# Altium PCB MultiChannelLdc.PcbDoc (continued)
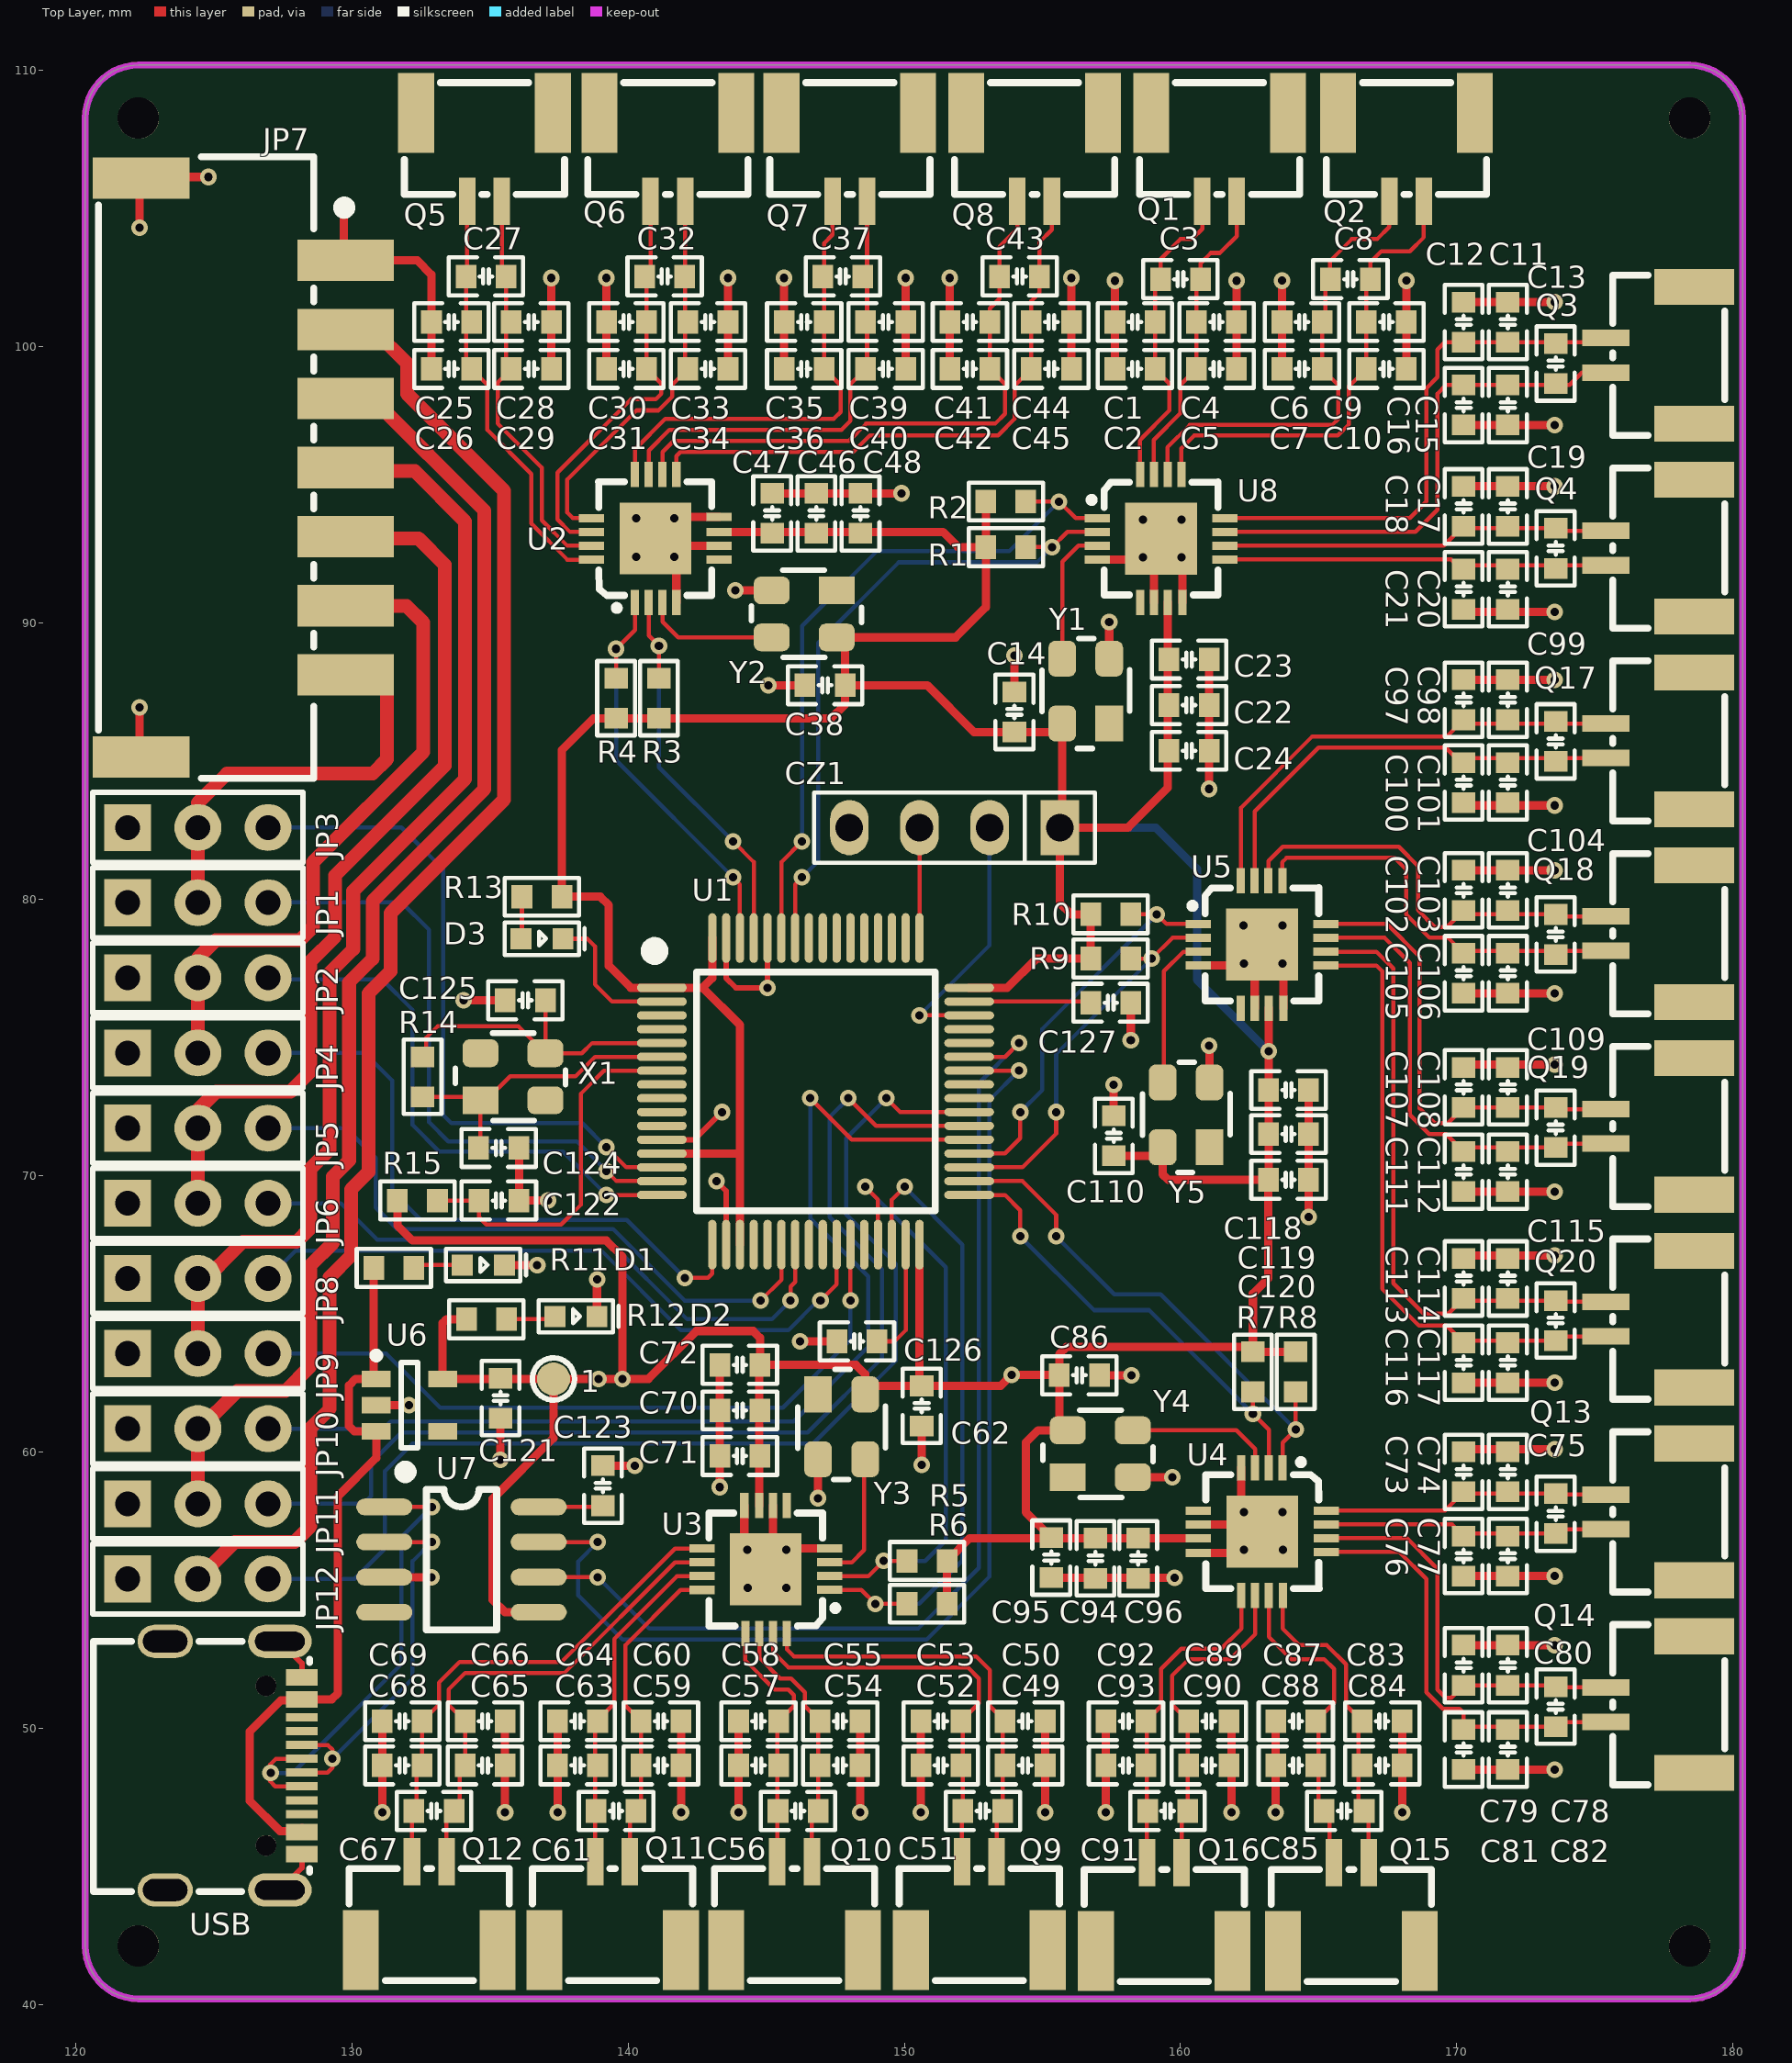
[diagram p0: Top Layer view]
## Footprints (in the part's own frame and the unit in brackets; to place one, negate y for a bottom-side part, rotate by r counter-clockwise, add the part's x,y. Pads: shape width x height; smd on the part's side, far side on the other; paste and mask are expansions set on the pad)
C0603_L [mm] "贴片MLCC电容"
  rect 0.75x0.85 smd: 1(-0.725,0) 2(0.725,0)
  silkscreen extent -1.35,-0.69 1.35,0.69, body extent -0.8,-0.4 0.8,0.4, height 0.8
CONN-SMD_7P-P2.54_MEGASTAR_ZX-XH2.54-7PWT [mm]
  rect 1.5x3.5 smd paste+0 mask+0.05: 1(-7.5,3.7) 2(-5,3.7) 3(-2.5,3.7) 4(0,3.7) 5(2.5,3.7) 6(5,3.7) 7(7.5,3.7) 8(10.48,-3.7) 9(-10.48,-3.7)
  silkscreen extent -11.25,-5.25 11.25,3.85
HDR2.54-LI-3P [mm] "排针，3脚                        联系卖家 免费查找封装"
  rect 1.7x1.7 hole 0.9: 1(-2.54,0)
  round 1.7 hole 0.9: 2(0,0) 3(2.54,0)
  silkscreen extent -3.81,-1.27 3.81,1.27, body extent -3.81,-1.27 3.81,1.27, height 2.54
LED0603_R [mil] "红色0603LED"
  rect 30x30 smd: 1(-30,0) 2(30,0)
  silkscreen extent -53,-23 61,23, body extent -31,-16 32,16, height 18
LQFP64-10*10 [mm] "10x10mm，0.5mm      联系卖家 免费查找封装"
  oval 0.3x1.8 smd: 1(-3.75,-5.575) 2(-3.25,-5.575) 3(-2.75,-5.575) 4(-2.25,-5.575) 5(-1.75,-5.575) 6(-1.25,-5.575) 7(-0.75,-5.575) 8(-0.25,-5.575) 9(0.25,-5.575) 10(0.75,-5.575) 11(1.25,-5.575) 12(1.75,-5.575) 13(2.25,-5.575) 14(2.75,-5.575) 15(3.25,-5.575) 16(3.75,-5.575) 33(3.75,5.55) 34(3.25,5.55) 35(2.75,5.55) 36(2.25,5.55) 37(1.75,5.55) 38(1.25,5.55) 39(0.75,5.55) 40(0.25,5.55) 41(-0.25,5.55) 42(-0.75,5.55) 43(-1.25,5.55) 44(-1.75,5.55) 45(-2.25,5.55) 46(-2.75,5.55) 47(-3.25,5.55) 48(-3.75,5.55)
  oval 1.8x0.3 smd: 17(5.55,-3.75) 18(5.55,-3.25) 19(5.55,-2.75) 20(5.55,-2.25) 21(5.55,-1.75) 22(5.55,-1.25) 23(5.55,-0.75) 24(5.55,-0.25) 25(5.55,0.25) 26(5.55,0.75) 27(5.55,1.25) 28(5.55,1.75) 29(5.55,2.25) 30(5.55,2.75) 31(5.55,3.25) 32(5.55,3.75) 49(-5.55,3.75) 50(-5.55,3.25) 51(-5.55,2.75) 52(-5.55,2.25) 53(-5.55,1.75) 54(-5.55,1.25) 55(-5.55,0.75) 56(-5.55,0.25) 57(-5.55,-0.25) 58(-5.55,-0.75) 59(-5.55,-1.25) 60(-5.55,-1.75) 61(-5.55,-2.25) 62(-5.55,-2.75) 63(-5.55,-3.25) 64(-5.55,-3.75)
  silkscreen extent -5.33,-6.09 4.32,4.32, body extent -6,-6 6,6, height 1.45
R0603_L [mm] "1/10W贴片电阻"
  rect 0.75x0.85 smd: 1(-0.725,0) 2(0.725,0)
  silkscreen extent -1.35,-0.69 1.35,0.69, body extent -0.8,-0.4 0.8,0.4, height 0.4
SIP4 [mm]
  rect 1.4x2 hole 1: 1(0,0)
  oval 1.4x2 hole 1: 2(2.54,0) 3(5.08,0) 4(7.62,0)
  silkscreen extent -1.27,-1.27 8.89,1.27, body extent -1.27,-1.27 8.89,1.27, height 8.89
SMD3225 [mm]
  rect 1.3x1 smd: 1(-1.175,-0.85)
  rrect50% 1.3x1 smd: 2(1.175,-0.85) 3(1.175,0.85) 4(-1.175,0.85)
  silkscreen extent -2.08,-1.59 1.91,1.58, body extent -1.58,-1.23 1.62,1.27, height 0.61
SOP8_N [mil] "5*6*1.8mm（长宽高）"
  oval 80x24 smd: 1(-110,75) 2(-110,25) 3(-110,-25) 4(-110,-75) 5(110,-75) 6(110,-25) 7(110,25) 8(110,75)
  silkscreen extent -86,-100 50,131, body extent -118,-98 118,98, height 75
SOT23-5 [mm] "SOT23, 5-Leads, Body 2.9x1.6mm, Pitch 0.95mm, IPC Medium Density                联系卖家 免费查找封装"
  rect 1.05x0.6 smd: 1(-1.2,0.95) 2(-1.2,0) 3(-1.2,-0.95) 4(1.2,-0.95) 5(1.2,0.95)
  silkscreen extent -1.32,-1.55 0.3,1.92, body extent -1.4,-1.5 1.4,1.5, height 1.15
"TEST 1.2" [mm] "测试点1.2mm"
  round 1.2 smd paste-1.2: 1(0,0)
  silkscreen extent -0.76,-0.76 0.76,0.76
USB-C-SMD_16P [mm] "封装库来自淘宝ID:黄晶宝石"
  oval 1.2x2.3 hole 0.7 slot 1.8 at 90 deg: 0(-4.5,-1.675) 0(4.5,-1.675)
  oval 1.2x2 hole 0.8 slot 1.6 at 90 deg: 0(-4.5,2.475) 0(4.5,2.475)
  rect 0.3x1.15 smd: A1(3.35,-2.473) A4(2.55,-2.471) A5(1.25,-2.475) A6(0.25,-2.475) A7(-0.25,-2.473) A9(-2.55,-2.475) A12(-3.35,-2.475) B1(-3.05,-2.475) B4(-2.25,-2.475) B5(-1.75,-2.475) B6(-0.75,-2.475) B7(0.75,-2.473) B9(2.25,-2.471) B12(3.05,-2.473)
  rect 0.3x1.148 smd: A8(1.75,-2.475) B8(-1.25,-2.475)
  round 0.75 hole 0.75 unplated: ""(-2.89,-1.175) ""(2.89,-1.175)
  silkscreen extent -4.56,-2.75 4.5,5.08, body extent -4.45,-2.87 4.49,5.03, height 3.25
W-QFN-16 [mil]
  rect 11.8x36 smd: 1(-35,-82) 2(-15.4,-82) 3(4.3,-82) 4(24,-82) 9(24,100) 10(4.3,100) 11(-15.4,100) 12(-35.1,100)
  rect 36x11.8 smd: 5(85,-21) 6(85,-1.3) 7(85,18.4) 8(85,39.6) 13(-97,38) 14(-97,18.3) 15(-97,-1.4) 16(-97,-21.1)
  rect 102.36x102.36 smd: 17(-5.8,9.1)
  silkscreen extent -87,-93 74,90
座子 [mm]
  rect 0.6x1.7 smd paste+0.051: 1(-1.564,2.237) 2(-0.314,2.237)
  rect 1.3x2.9 smd paste+0.051: 3(1.536,-0.963) 4(-3.414,-0.963)
  silkscreen extent -3.84,-2.06 1.96,1.99

## Part data
1: "探针焊盘"
C1 C2 C3 C4 C5 C6 C7 C8 C9 C10 C11 C12 C13 C15 C16 C17 C18 C19 C20 C21 C22 C23 C24 C25 C26 C27 C28 C29 C30 C31 C32 C33 C34 C35 C36 C37 C39 C40 C41 C42 C43 C44 C45 C46 C47 C48 C49 C50 C51 C52 C53 C54 C55 C56 C57 C58 C59 C60 C61 C63 C64 C65 C66 C67 C68 C69 C70 C71 C72 C73 C74 C75 C76 C77 C78 C79 C80 C81 C82 C83 C84 C85 C87 C88 C89 C90 C91 C92 C93 C94 C95 C96 C97 C98 C99 C100 C101 C102 C103 C104 C105 C106 C107 C108 C109 C111 C112 C113 C114 C115 C116 C117 C118 C119 C120: library part Cap, "Capacitor", LatestRevisionDate=17-Jul-2002, LatestRevisionNote="Re-released for DXP Platform.", Published=8-Jun-2000, Publisher="Altium Limited"
C14 C38 C62 C86 C110 C121 C122 C123 C124 C125 C126 C127: library part C, "贴片电容/MLCC电容"
CZ1: library part CON4, "Connector"
D1 D2 D3: library part LED0, "发光二极管", LatestRevisionDate=08-Jul-2005, LatestRevisionNote="Mech Layer 1 removed.", PackageReference=LED-0, Published=8-Jun-2000, Publisher="Altium Limited"
JP1 JP2 JP3 JP4 JP5 JP6 JP8 JP9 JP10 JP11 JP12: library part "Header 3", "3P接插件"
JP7: library part "Header 7", "7P接插件"
Q1 Q2 Q3 Q4 Q5 Q6 Q7 Q8 Q9 Q10 Q11 Q12 Q13 Q14 Q15 Q16 Q17 Q18 Q19 Q20: library part CON2, "Connector"
R1 R2 R3 R4 R5 R6 R7 R8 R9 R10: "Resistor", LatestRevisionDate=17-Jul-2002, LatestRevisionNote="Re-released for DXP Platform.", PackageDescription="Axial Device, Thru-Hole; 2 Leads; 0.4 in Pin Spacing", PackageReference=AXIAL-0.4, Published=8-Jun-2000, Publisher="Altium Limited"
R11 R12 R13 R14 R15: library part R, "贴片电阻"
U1: "ARM Cortex-M4 32b MCU+FPU, 210DMIP, 1024 kB Flash, 192+4 kB RAM, 51 I/Os, 64-pin LQFP, -40 to +85癈, Tray", Operating Frequency (Processor Speed)=168MHz, 16-bit Timers (IC/OC/PWM)=12x16-bit(24/24/30), 32-bit Timer (IC/OC/PWM)="2x32-bit (8/8/8)", A/D Converter=16x12-bit, ComponentLink1Description="Manufacturer URL", ComponentLink1URL=http://www.st.com/, ComponentLink2Description="STM32F405/7 Datasheet", ComponentLink2URL=http://www.st.com/internet/com/TECHNICAL_RESOURCES/TECHNICAL_LITERATURE/DATASHEET/DM00037051.pdf, ComponentLink3Description="STM32F4 Web Page", ComponentLink3URL=http://www.st.com/internet/mcu/subclass/1521.jsp, D/A Converter=2x12-bit, DatasheetVersion="rev2, Jan-2012", Internal RAM=192kB, Other Timer Functions="2xWDG, RTC, 24-bit down counter", PackageDescription="64-Pin Low Profile Quad Flat Package, 10x10 mm Body, 0.5 mm Pitch", PackageReference=TQFP64, PackageVersion=2012, Serial Interface="3xSPI/2xI2S/2xI2C/3xUSART(IrDa, ISO7816)/3xUART/1xUSB OTG FS/HS, 2xCAN/ SDIO"
U2 U3 U4 U5 U8: BOM_LCSC Assembly=Yes, BOM_Manufacturer=TI, BOM_Manufacturer Part=LDC1314RGHT, BOM_Supplier=LCSC, BOM_Supplier Part=C80399, image=//image.lceda.cn/szlcsc/C80399.jpg, SMT Type=Extend, spicePre=U, spiceSymbolName=LDC1314RGHT
U7: JLCPCB Part Class="Extended Part", LCSC Part Name=USB2.0芯?, Manufacturer=WCH(南?, Operating Temperature=-20℃~+70?, Voltage - Supply=3.3V；5V, Add into BOM=yes, Applications Function=USB转?, Convert to PCB=yes, Data Rate=2Mbps, Datasheet=https://atta.szlcsc.com/upload/public/pdf/source/20240313/115CDE92081B1D6CB446704AD5D0F5F2.pdf, Device=CH340N, Manufacturer Part=CH340N, Number of Channels=1, Protocol="USB 2.0", Supplier=LCSC, Supplier Footprint=SOP-8, Supplier Part=C2977777, Symbol=CH340N_C2977777
USB: library part USB2.0_Type-C_16Pin, "USB2.0_Type-C_16Pin母座"
X1: library part XTAL-4P, "4脚无源晶振(谐振器）"
Y1 Y2 Y3 Y4 Y5: library part 有源晶振
U6: Symbol=TLV75733PDBVR

## Free pads (board coordinates)
  round 1.5 hole 1.5 unplated: 2(122.27,42.12) 2(122.27,108.28) 2(178.43,42.12) 2(178.43,108.28)

## Via types
v1: diameter 0.6, hole 0.3, Top Layer to Bottom Layer, tented both sides, 135 vias

## Nets (pads, with @x,y where several pads share a name; then routed paths per layer and width w, separated by ;. In a path a pad name is that pad's centre, name@x,y a point inside that pad or via, vN(x,y) a via of type N, cw(c..) or ccw(c..) an arc to the next point about the centre after c; other vN are vias at no path point)
3V3: 1.1 C14.1 C22.1 C23.1 C24.1 C38.1 C46.1 C47.1 C48.1 C62.1 C70.1 C71.1 C72.1 C86.1 C94.1 C95.1 C96.1 C110.1 C118.1 C119.1 C120.1 C121.2 CZ1.1 R1.2 R2.1 R3.2 R4.1 R5.2 R6.1 R7.2 R8.1 R9.2 R10.1 R12.2 R13.2 R15.1 U1.1 U1.13 U1.19 U1.32 U1.48 U1.64 U2.7 U3.7 U4.7 U5.7 U6.5 U7.5 U8.7 Y1.4 Y2.4 Y3.4 Y4.4 Y5.4 | length 218.9
  Top Layer w0.3: R15.1 131.65,68.2 132.2,67.65 139.21,67.65 139.8,67.06 v1(139.8,62.639) ; R12.2 133.426,64.8 133.285,64.659 U6.5 1.1 ; U7.5 135.545,54.196 135.1,54.641 135.1,58.3 137.3,60.5 1.1 ; U1.13 144.05,70.8 ; U1.64 143.05,77.15 142.7,76.8 ; U2.7 148.417,93.301 151.399,93.301 151.951,92.749 R1.2 ; U1.19 144.05,70.8 ; U3.7 144.747,63.123 C72.1 ; U1.32 150.55,62.467 C62.1 ; R6.1 R5.2 152.368,56.873 U4.7 ; U1.48 153.727,76.8 154.785,77.858 R9.2 R10.1 156.042,79.458 155.63,79.87 CZ1.1 ; R2.1 R1.2 ; C95.1 154.4,57.819 154.4,60.339 154.845,60.784 Y4.4 155.614,61.089 C86.1 ; C110.1 159.05,70.718 Y5.4 159.355,70.045 159.55,69.85 C120.1 ; U8.7 159.536,84.036 158.1,82.6 CZ1.1 ; U5.7 v1(163.187,74.5) 163.187,69.853 C120.1 ; R8.1 R7.2 ; 1.1 v1(138.939,62.639) v1(139.8,62.639) ; v1(139.8,62.639) 140.739,62.639 142.474,64.374 144.526,64.374 144.774,64.126 C72.1 ; 142.7,76.8 U1.1 140.1,76.8 139.3,77.6 139.3,79.79 138.995,80.095 R13.2 137.607,85.407 138.756,86.556 R4.1 R3.2 147.356,86.556 147.859,87.059 C38.1 ; 142.7,76.8 144.05,75.45 144.05,70.8 ; C72.1 148.25,63.15 148.581,62.819 Y3.4 148.886,62.387 C62.1 ; C38.1 147.859,89.178 Y2.4 151.853,89.483 152.95,90.58 R1.2 ; C38.1 150.83,87.75 152.521,86.059 C14.1 155.414,86.059 Y1.4 155.719,82.689 CZ1.1 ; C62.1 153.487,62.387 v1(153.887,62.787) 155.6,62.787 C86.1 ; C86.1 155.614,63.542 155.872,63.8 162.444,63.8 R7.2 ; R7.2 162.621,65.721 163.185,66.285 C120.1
  Bottom Layer w0.3: CZ1.1 159.1,82.6 160.6,81.1 160.6,77.087 v1(163.187,74.5)
5V: R11.2 U6.1 U6.3 USB.A4 USB.A9 USB.B4 USB.B9 | length 26.1
  Top Layer w0.3: USB.B9 128.08,51 127.43,51 126.31,49.88 126.31,47.36 127.4,46.27 128.074,46.27 USB.B4 ; USB.B9@128.44,51.04 129.27,51.04 129.5,51.27 129.5,58.4 130.885,59.785 U6.3 130.098,60.739 129.9,60.937 129.9,62.4 130.139,62.639 U6.1@130.795,62.639 ; R11.2 U6.1@130.795,62.639 ; U6.1 U6.1@130.795,62.639
+5V_1: JP1.2 JP3.2 JP7.7 | length 15.2
  Top Layer w0.3: JP3.2 124.427,83.497
  Top Layer w0.5: JP1.2@124.427,80.08 JP3.2 ; 124.427,83.497 125.48,84.55 130.75,84.55 131.27,85.07 131.27,87.63 130.8,88.1 JP7.7@129.717,88.1
+5V_2: JP2.2 JP4.2 JP7.6 | length 23.8
  Top Layer w0.3: JP2.2 JP2.2@124.427,77.877
  Top Layer w0.5: JP4.2 JP2.2 ; JP2.2@124.427,77.877 125.07,78.52 128.119,78.52 128.6,79.001 128.6,81.35 132.58,85.33 132.58,90.02 131.984,90.616 129.791,90.616 JP7.6
+5V_3: JP5.2 JP6.2 JP7.5 | length 32.4
  Top Layer w0.3: JP5.2 JP5.2@124.427,72.374
  Top Layer w0.5: JP6.2 JP5.2 ; JP5.2@124.427,72.374 125.093,73.04 127.78,73.04 128.5,73.76 128.5,77.75 129.4,78.65 129.4,80.872 133.36,84.832 133.36,92.12 132.415,93.065 JP7.5@129.717,93.065
+5V_4: JP7.4 JP8.2 JP9.2 | length 40.8
  Top Layer w0.3: JP9.2@124.427,63.16 JP9.2
  Top Layer w0.5: JP9.2 124.427,65.98 126.047,67.6 128,67.6 128.5,68.1 128.5,70.25 129.2,70.95 129.2,77.35 130.05,78.2 130.05,80.3 134.1,84.35 134.1,93.682 132.282,95.5 JP7.4@129.717,95.5
+5V_5: JP7.3 JP10.2 JP11.2 | length 48.6
  Top Layer w0.3: JP11.2@124.427,57.52 JP11.2 ; JP7.3@129.717,98.1 JP7.3@130.77,98.1
  Top Layer w0.5: JP11.2 124.427,60.777 125.85,62.2 127.6,62.2 128.5,63.1 128.5,66.75 129.31,67.56 129.31,69.96 129.9,70.55 129.9,77 130.75,77.85 130.75,79.94 134.8,83.99 134.8,94.07 JP7.3@130.77,98.1
+5V_6: JP7.2 JP12.2 | length 54.1
  Top Layer w0.3: JP7.2@129.717,100.6 JP7.2@130.8,100.6
  Top Layer w0.5: JP12.2 125.763,56.736 127.936,56.736 128.5,57.3 128.5,60.85 129.2,61.55 129.2,66.328 129.97,67.098 129.97,69.503 130.6,70.133 130.6,76.6 131.4,77.4 131.4,79.5 135.51,83.61 135.51,94.79 132,98.3 132,99.4 JP7.2@130.8,100.6
GND: C1.2 C2.2 C4.1 C5.1 C6.2 C7.2 C9.1 C10.1 C11.2 C12.2 C14.2 C15.1 C16.1 C17.2 C18.2 C20.1 C21.1 C22.2 C23.2 C24.2 C25.2 C26.2 C28.1 C29.1 C30.2 C31.2 C33.1 C34.1 C35.2 C36.2 C38.2 C39.1 C40.1 C41.2 C42.2 C44.1 C45.1 C46.2 C47.2 C48.2 C49.2 C50.2 C52.1 C53.1 C54.2 C55.2 C57.1 C58.1 C59.2 C60.2 C62.2 C63.1 C64.1 C65.2 C66.2 C68.1 C69.1 C70.2 C71.2 C72.2 C73.2 C74.2 C76.1 C77.1 C78.2 C79.2 C81.1 C82.1 C83.2 C84.2 C86.2 C87.1 C88.1 C89.2 C90.2 C92.1 C93.1 C94.2 C95.2 C96.2 C97.2 C98.2 C100.1 C101.1 C102.2 C103.2 C105.1 C106.1 C107.2 C108.2 C110.2 C111.1 C112.1 C113.2 C114.2 C116.1 C117.1 C118.2 C119.2 C120.2 C121.1 C122.2 C123.2 C124.1 C125.1 C126.1 C127.1 CZ1.4 D1.2 D2.2 JP1.1 JP2.1 JP3.1 JP4.1 JP5.1 JP6.1 JP7.1 JP7.8 JP7.9 JP8.1 JP9.1 JP10.1 JP11.1 JP12.1 U1.12 U1.18 U1.60 U1.63 U2.4 U2.6 U2.8 U2.17 U3.4 U3.6 U3.8 U3.17 U4.4 U4.6 U4.8 U4.17 U5.4 U5.6 U5.8 U5.17 U6.2 U7.3 U8.4 U8.6 U8.8 U8.17 USB.0 USB.A1 USB.A12 USB.B1 USB.B12 Y1.2 Y2.2 Y3.2 Y4.2 Y5.2 | length 240.7
  Top Layer w0.2: USB.0@127.394,44.14 128.194,44.94 USB.A12 USB.B1 ; USB.0@127.394,53.14 127.4,53.14 128.192,52.348 USB.A1 USB.B12 ; U1.12 142.4,71.3 v1(143.4,72.3) ; v1(143.2,69.8) 143.55,69.45 U1.18 ; U1.63 143.55,77.15 143.9,76.8 v1(145.05,76.8) U1.60
  Top Layer w0.3: JP7.8@122.317,85.15 v1(122.317,86.953) ; v1(122.317,104.307) JP7.9@122.317,106.11 ; JP7.9@123,106.15 v1(124.803,106.15) ; v1(129.717,104.933) 129.717,103.13 132.37,103.13 132.883,102.617 C25.2 C26.2 ; U6.2 v1(132.074,61.689) ; v1(131.1,46.955) C68.1 C69.1 ; U7.3 v1(132.882,55.466) ; v1(134.048,76.348) C125.1 C125.1@135.509,76.3 ; v1@135.383,59.815 C121.1 ; D1.2 v1(136.713,66.762) ; v1(135.55,46.955) C65.2 C66.2 ; C124.1 136.05,70.994 C122.2 v1(137.1,69.1) ; C29.1 C28.1 v1(137.223,102.495) ; v1(137.45,46.955) C63.1 C64.1 ; D2.2 v1@138.874,66.25 ; C123.2 v1(140.238,59.5) ; C31.2 C30.2 v1(139.217,102.495) ; U2.4 141.749,92.308 U2.17@141.256,92.801 ; v1(141.916,46.955) C59.2 C60.2 ; U2.6 U2.17@141.256,92.801 ; U2.8 141.767,93.84 U2.17 U2.17@141.256,92.801 ; v1(143.324,58.724) C70.2 C72.2 ; C34.1 C33.1 v1(143.617,102.495) ; v1(143.88,91.183) Y2.2 ; v1(144,46.955) C57.1 C58.1 ; U3.8 144.208,56.521 144.5,56.229 144.774,56.503 U3.17@145.247,56.503 ; v1(145.085,87.75) C38.2 ; C47.2 C46.2 C48.2 v1(149.9,94.7) ; U3.6 U3.17@145.247,56.503 ; C36.2 C35.2 v1(145.651,102.495) ; v1(146.228,64) C126.1 ; v1(146.881,58.325) Y3.2 ; U3.4 U3.17@145.247,56.503 ; v1(148.4,46.955) C54.2 C55.2 ; C40.1 C39.1 v1(150.051,102.495) ; v1(150.6,46.955) C53.1 ; v1(150.63,59.53) C62.2 ; C42.2 C41.2 v1(151.651,102.495) ; C14.2 v1(153.986,88.832) ; v1(155.1,46.955) C49.2 C50.2 ; C95.2 v1(159.782,55.448) ; C45.1 v1(156.051,102.495) ; U8.4 U8.17@159.036,92.301 ; C86.2 v1(158.227,62.773) ; v1(157.3,46.955) C93.1 C92.1 ; Y1.2 v1(157.419,90.038) ; C110.2 v1(157.585,73.285) ; C2.2@157.626,99.1 C2.2 C1.2 v1(157.626,102.395) ; v1(158.2,74.9) C127.1 ; Y4.2 v1(159.697,59.084) ; U8.6 U8.17@159.036,92.301 ; U8.8 160.075,92.283 159.879,92.479 159.701,92.301 U8.17@159.036,92.301 ; U5.4 162.194,77.607 U5.17@162.687,78.1 ; U4.8 162.182,56.334 162.2,56.352 U4.17@162.2,57.373 ; U4.6 U4.17@162.2,57.373 ; v1(161.036,83.999) C24.2 C22.2 C23.2 ; Y5.2 v1@161.055,74.7 ; v1(161.85,46.955) C89.2@161.85,50.25 ; C5.1@162.026,99.1 C5.1 C4.1 v1(162.026,102.395) ; U4.4 U4.17@162.2,57.373 ; U5.6 U5.17@162.687,78.1 ; v1(163.45,46.955) C88.1 C87.1 ; C7.2@163.676,99.1 C7.2 C6.2 v1(163.676,102.395) ; U5.8 163.726,77.59 U5.17 U5.17@162.687,78.1 ; v1(164.635,68.503) C120.2 C119.2 C118.2 ; v1(168.025,46.955) C84.2 C83.2 ; C10.1@168.176,99.1 C10.1 v1(168.176,102.395) ; C81.1 C82.1 v1(173.545,48.501) ; C79.2 C78.2 v1(173.545,53.001) ; C76.1 C77.1 v1(173.545,55.501) ; C73.2@170.25,60.101 v1(173.545,60.101) ; C116.1 C117.1 v1(173.545,62.501) ; C113.2@170.25,67.101 v1(173.545,67.101) ; C111.1 C112.1 v1(173.545,69.42) ; C107.2@170.25,74.017 v1(173.545,74.017) ; C105.1 C106.1 v1(173.545,76.601) ; C102.2 C103.2 v1(173.545,81.051) ; C100.1@170.25,83.401 v1(173.545,83.401) ; C97.2 C98.2 v1(173.545,87.951) ; C21.1@170.25,90.401 v1(173.545,90.401) ; C18.2 C17.2 v1(173.545,94.951) ; C16.1 C15.1 v1(173.545,97.17) ; C12.2 C11.2 v1(173.545,101.62)
  other v1: 144.325,55.079 145.725,55.079 162.302,56.45 163.702,56.45 144.323,56.453 145.723,56.453 162.299,57.824 163.699,57.824 135.383,59.715 138.88,66.25 161.036,74.7 162.289,77.682 163.689,77.682 162.286,79.056 163.686,79.056 158.637,92.376 160.037,92.376 140.3,92.4 141.674,92.403 158.635,93.75 160.035,93.75 140.3,93.8 141.674,93.803
NetC1_1: C1.1 C2.1 C3.2 Q1.2 U8.16 | length 11.5
  Top Layer w0.15: U8.16 158.533,96.633 159.6,97.7 159.6,98.676 C2.1 C1.1 159.076,102.251 C3.2 159.275,103.175 160,103.9 160.417,103.9 160.787,104.27 Q1.2@160.787,105.307
NetC3_1: C3.1 C4.2 C5.2 Q1.1 U8.15 | length 11.4
  Top Layer w0.15: U8.15 159.033,96.633 160,97.6 160,98.624 C5.2 C4.2 160.576,102.301 C3.1 160.725,103.025 161.1,103.4 161.425,103.4 162.037,104.012 Q1.1@162.037,105.307
NetC6_1: C6.1 C7.1 C8.2 Q2.2 U8.14 | length 17.4
  Top Layer w0.15: U8.14 159.534,96.37 160.334,97.17 165.489,97.17 165.709,97.389 165.709,98.617 C7.1 C6.1 165.24,101.014 165.24,102.436 C8.2@165.225,102.45 ; C8.2@165.725,102.45 165.42,102.756 165.42,103.12 166.2,103.9 167.117,103.9 167.559,104.342 Q2.2 Q2.2@167.559,105.307
NetC8_1: C8.1 C9.2 C10.2 Q2.1 U8.13 | length 17.2
  Top Layer w0.15: U8.13 160.034,96.334 160.5,96.8 165.7,96.8 166.1,97.2 166.1,98.574 C10.2 166.726,102.4 C8.1@166.675,102.45 ; C8.1 166.875,103.065 167.267,103.457 168.3,103.457 168.809,103.966 Q2.1 Q2.1@168.809,105.307
NetC11_1: C11.1 C12.1 C13.2 Q3.2 U8.12 | length 19.5
  Top Layer w0.15: U8.12 168.302,93.802 168.9,94.4 168.9,98.5 169.3,98.9 169.3,99.9 169.57,100.17 C12.1 C11.1 175.25,100.17 Q3.2
NetC13_1: C13.1 C15.2 C16.2 Q3.1 U8.11 | length 18.6
  Top Layer w0.15: U8.11 168.501,93.301 169.3,94.1 169.3,98.3 169.62,98.62 C16.2 C15.2 174.086,98.62 174.536,99.07 Q3.1
NetC17_1: C17.1 C18.1 C19.2 Q4.2 U8.10 | length 14.1
  Top Layer w0.15: U8.10 169.536,92.801 170.236,93.501 C18.1 170.319,93.431 C19.2 173.671,93.342 Q4.2
NetC19_1: C19.1 C20.2 C21.2 Q4.1 U8.9 | length 14.1
  Top Layer w0.15: U8.9 169.799,92.301 C21.2@170.249,91.851 ; C21.2@170.25,91.851 170.491,92.092 Q4.1
NetC25_1: C25.1 C26.1 C27.2 Q5.2 U2.16 | length 15.5
  Top Layer w0.15: C27.2@133.933,102.55 134.178,102.795 Q5.2@134.178,105.307 ; C27.2 134.133,99.4 C26.1 134.9,98.633 134.9,97 136.5,95.4 136.5,93.6 137.802,92.298 U2.16
NetC27_1: C27.1 C28.2 C29.2 Q5.1 U2.15 | length 14.7
  Top Layer w0.15: C27.1@135.383,102.55 135.428,102.595 Q5.1@135.428,105.307 ; C27.1 135.583,99.39 C29.2 135.278,98.705 135.278,97.222 136.875,95.625 136.875,93.725 137.802,92.798 U2.15
NetC30_1: C30.1 C31.1 C32.2 Q6.2 U2.14 | length 15.3
  Top Layer w0.15: U2.14 137.902,93.299 137.45,93.751 137.45,95.45 140.1,98.1 141,98.1 141.2,98.3 141.2,98.667 C31.1 C30.1 140.667,102.667 140.816,102.816 Q6.2@140.816,105.307
NetC32_1: C32.1 C33.2 C34.2 Q6.1 U2.13 | length 14.6
  Top Layer w0.15: U2.13 138.001,93.799 137.8,94 137.8,95.2 140.3,97.7 141.1,97.7 141.6,98.2 141.6,98.633 C34.2 142.066,99.302 Q6.1@142.066,105.307
NetC35_1: C35.1 C36.1 C37.2 Q7.2 U2.12 | length 17
  Top Layer w0.15: U2.12 140.248,96.3 141.348,97.4 147.453,97.4 147.7,97.647 147.7,98.601 C36.1 C35.1 147.101,103.751 147.403,104.053 Q7.2@147.403,105.307
NetC37_1: C37.1 C39.2 C40.2 Q7.1 U2.11 | length 16.9
  Top Layer w0.15: U2.11 140.748,96.248 141.5,97 147.73,97 148.05,97.32 148.05,98.649 C40.2 ; C40.2@148.653,99.252 Q7.1@148.653,105.307
  Top Layer w0.3: C40.2 C40.2@148.653,99.252
NetC41_1: C41.1 C42.1 C43.2 Q8.2 U2.10 | length 22.2
  Top Layer w0.15: U2.10 141.249,96.199 141.65,96.6 148,96.6 148.62,97.22 153.29,97.22 153.65,97.58 153.65,98.651 C42.1 C41.1 153.101,101.401 153.45,101.75 C43.2 153.45,103.63 154.091,104.271 Q8.2@154.091,105.307
NetC43_1: C43.1 C44.2 C45.2 Q8.1 U2.9 | length 21.9
  Top Layer w0.15: U2.9 141.749,96.049 141.9,96.2 148.153,96.2 148.753,96.8 153.4,96.8 154,97.4 154,98.599 C45.2 154.601,101.665 154.9,101.964 C43.1 154.9,103.8 155.341,104.241 Q8.1@155.341,105.307
NetC49_1: C49.1 C50.1 C51.2 Q9.2 U3.16 | length 15.5
  Top Layer w0.15: U3.16 145.75,52.85 146,52.6 152.6,52.6 153.1,52.1 153.1,50.8 C50.1 153.57,50.17 C51.2 153.341,46.771 Q9.2
NetC51_1: C51.1 C52.2 C53.2 Q9.1 U3.15 | length 15.4
  Top Layer w0.15: U3.15 145.25,52.75 145.8,52.2 152.3,52.2 152.7,51.8 152.7,50.9 152.12,50.32 C51.1 152.091,46.971 Q9.1
NetC54_1: C54.1 C55.1 C56.2 Q10.2 U3.14 | length 9.5
  Top Layer w0.15: U3.14 144.749,52.551 145.5,51.8 145.901,51.8 146.4,51.301 146.4,50.8 C55.1 146.88,50.18 C56.2 146.653,46.773 Q10.2
NetC56_1: C56.1 C57.2 C58.2 Q10.1 U3.13 | length 9.5
  Top Layer w0.15: U3.13 144.249,52.451 145.3,51.4 145.8,51.4 146,51.2 146,50.8 C58.2 145.403,50.203 Q10.1
NetC59_1: C59.1 C60.1 C61.2 Q11.2 U3.12 | length 11.9
  Top Layer w0.15: Q11.2 140.066,46.876 140.19,47 C61.2 140.3,47 140.466,47.166 C59.1 C60.1 139.9,50.816 139.9,53 141.902,55.002 U3.12
NetC61_1: C61.1 C63.2 C64.2 Q11.1 U3.11 | length 12.5
  Top Layer w0.15: Q11.1 138.816,50.166 C64.2 138.9,50.3 139.5,50.9 139.5,53.23 141.772,55.502 U3.11
NetC65_1: C65.1 C66.1 C67.2 Q12.2 U3.10 | length 18.1
  Top Layer w0.15: Q12.2 133.428,47 C67.2 133.8,47 133.9,47.1 133.9,48.45 C65.1 C66.1 133.5,50.85 133.5,51.4 134.1,52 137.7,52 141.703,56.003 U3.10
NetC67_1: C67.1 C68.2 C69.2 Q12.1 U3.9 | length 18.4
  Top Layer w0.15: Q12.1 132.178,46.828 132.35,47 132.35,48.45 C68.2 C69.2 133.15,50.85 133.15,51.65 133.9,52.4 137.6,52.4 141.703,56.503 U3.9
NetC73_1: C73.1 C74.1 C75.2 Q13.2 U4.16 | length 10.4
  Top Layer w0.15: U4.16 169.575,57.876 C73.1 170.312,58.489 C75.2 173.619,58.452 Q13.2
NetC75_1: C75.1 C76.2 C77.2 Q13.1 U4.15 | length 10.3
  Top Layer w0.15: U4.15 169.825,57.376 C76.2 ; C76.2@170.338,57.039 C75.1 173.743,57.201 Q13.1
NetC78_1: C78.1 C79.1 C80.2 Q14.2 U4.14 | length 15.3
  Top Layer w0.15: U4.14 168.195,56.875 169.3,55.77 169.3,51.4 169.6,51.1 169.799,51.1 C79.1 C78.1 173.531,51.551 C80.2 173.608,51.474 Q14.2
NetC80_1: C80.1 C81.2 C82.2 Q14.1 U4.13 | length 15.7
  Top Layer w0.15: U4.13 167.925,56.375 168.9,55.4 168.9,51.3 169.5,50.7 170.1,50.7 170.25,50.55 C81.2 170.35,50.051 C80.1 173.754,50.223 Q14.1
NetC83_1: C83.1 C84.1 C85.2 Q15.2 U4.12 | length 11.6
  Top Layer w0.15: U4.12 163.701,53.599 164.3,53 165.3,53 165.989,52.311 165.989,50.836 C83.1 166.45,50.125 C85.2@166.45,47 ; C85.2 166.809,46.841 Q15.2@166.809,45.112
NetC85_1: C85.1 C87.2 C88.2 Q15.1 U4.11 | length 11.9
  Top Layer w0.15: U4.11 163.201,53.299 164,52.5 165.2,52.5 165.559,52.141 165.559,50.909 C87.2 165,50.15 165,47.2 C85.1 165.4,46.8 165.4,45.271 Q15.1@165.559,45.112
NetC89_1: C89.1 C90.1 C91.2 Q16.2 U4.10 | length 12.2
  Top Layer w0.15: Q16.2@160.037,45.112 160.037,46.777 C91.2 160.26,50.21 C89.1 159.7,50.85 159.7,51.9 160.3,52.5 161.8,52.5 162.7,53.4 U4.10
NetC91_1: C91.1 C92.2 C93.2 Q16.1 U4.9 | length 12
  Top Layer w0.15: Q16.1@158.787,45.112 158.787,48.65 158.787,50.213 C92.2 159.3,50.8 159.3,52.145 160.029,52.874 161.474,52.874 162.2,53.6 U4.9
NetC97_1: C97.1 C98.1 C99.2 Q17.2 U5.16 | length 17.2
  Top Layer w0.15: U5.16 162.184,83.312 164.772,85.9 169.649,85.9 C97.1 170.387,86.364 Q17.2
NetC99_1: C99.1 C100.2 C101.2 Q17.1 U5.15 | length 16.3
  Top Layer w0.15: U5.15 162.684,83.184 165,85.5 169.6,85.5 169.986,85.114 171.85,85.114 Q17.1
NetC102_1: C102.1 C103.1 C104.2 Q18.2 U5.14 | length 15.6
  Top Layer w0.15: U5.14 163.185,81.385 163.7,81.9 167.9,81.9 168.6,81.2 168.6,79.606 169.206,79 169.649,79 C102.1 170.396,79.455 C104.2 173.65,79.386 Q18.2
NetC104_1: C104.1 C105.2 C106.2 Q18.1 U5.13 | length 14.9
  Top Layer w0.15: U5.13 163.685,81.346 163.839,81.5 167.759,81.5 168.176,81.083 168.176,79.455 169.023,78.608 169.693,78.608 C105.2 ; C105.2@170.25,77.951 170.435,78.136 Q18.1
NetC107_1: C107.1 C108.1 C109.2 Q19.2 U5.12 | length 16.6
  Top Layer w0.15: U5.12 167.467,79.109 168.659,77.917 168.659,72.441 169.2,71.9 169.683,71.9 C107.1 C107.1 C109.2 173.64,72.408 Q19.2
NetC109_1: C109.1 C111.2 C112.2 Q19.1 U5.11 | length 16.7
  Top Layer w0.15: U5.11 167.392,78.608 168.3,77.7 168.3,72.2 169,71.5 169.62,71.5 C111.2 170.397,71.016 C109.1 173.722,71.158 Q19.1
NetC113_1: C113.1 C114.1 C115.2 Q20.2 U5.10 | length 22.5
  Top Layer w0.15: U5.10 167.092,78.108 167.7,77.5 167.7,66.1 168.8,65 169.699,65 C113.1 170.323,65.478 C115.2 173.629,65.43 Q20.2
NetC115_1: C115.1 C116.2 C117.2 Q20.1 U5.9 | length 22.6
  Top Layer w0.15: U5.9 167.093,77.607 167.3,77.4 167.3,65.9 168.628,64.572 169.629,64.572 C116.2 170.327,64.028 C115.1 173.733,64.179 Q20.1
NetC122_1: C122.1 R15.2 U1.7 | length 13.5
  Top Layer w0.15: R15.2 C122.1 134.6,68.5 134.87,68.23 137.58,68.23 138.3,68.95 138.3,72.973 139.127,73.8 U1.7
NetC123_1: C123.1 U7.8 | length 2.3
  Top Layer w0.15: U7.8 139.044,58.006 C123.1
NetC124_2: C124.2 R14.2 U1.6 X1.1 | length 11.1
  Top Layer w0.15: R14.2 134.536,72.85 X1.1 ; C124.2 134.657,71.063 X1.1 ; U1.6 138.8,74.3 138.1,73.6 135.728,73.6 134.857,72.729 X1.1
NetC125_2: C125.2 R14.1 U1.5 X1.3 | length 11.9
  Top Layer w0.15: R14.1 132.7,74.438 132.7,75 133.1,75.4 136.036,75.4 X1.3 ; C125.2 X1.3 ; U1.5 138.7,74.8 138.329,74.429 X1.3
NetC126_2: C126.2 U1.31 | length 4.3
  Top Layer w0.15: C126.2 149.65,64 150.05,64.4 U1.31
NetC127_2: C127.2 U1.47 | length 4.4
  Top Layer w0.15: U1.47 156.708,76.3 C127.2
NetCZ1_2: CZ1.2 U1.46 | length 9.7
  Top Layer w0.15: v1(150.55,75.8) U1.46
  Bottom Layer w0.15: v1(150.55,75.8) 153.09,78.34 CZ1.2
NetCZ1_3: CZ1.3 U1.49 | length 4
  Top Layer w0.15: U1.49 CZ1.3
NetD1_1: D1.1 R11.1 | length 1.8
  Top Layer w0.15: R11.1 132.347,66.762 D1.1
NetD2_1: D2.1 R12.1 | length 1.8
  Top Layer w0.15: R12.1 137.249,64.8 D2.1
NetD3_1: D3.1 R13.1 | length 1.5
  Top Layer w0.15: D3.1 136.157,78.611 R13.1
NetD3_2: D3.2 U1.2 | length 5.3
  Top Layer w0.15: D3.2 138.526,78.574 138.8,78.3 138.8,76.916 139.416,76.3 U1.2
NetJP1_3: JP1.3 U1.15 | length 22.8
  Top Layer w0.15: v1(139.217,70.161) 139.579,69.8 U1.15
  Bottom Layer w0.15: JP1.3@126.967,79.23 127.637,79.9 131.8,79.9 132.8,78.9 132.8,71.93 133.49,71.24 138.15,71.24 139.217,70.173 v1(139.217,70.161)
NetJP2_3: JP2.3 U1.16 | length 20.2
  Top Layer w0.15: v1(139.217,69.3) U1.16
  Bottom Layer w0.15: JP2.3@126.967,76.41 127.657,77.1 131.1,77.1 132.2,76 132.2,71.83 133.16,70.87 137.647,70.87 v1(139.217,69.3)
NetJP3_3: JP3.3 U1.14 | length 24.8
  Top Layer w0.15: v1(139.217,71.023) 139.94,70.3 U1.14
  Bottom Layer w0.15: JP3.3@126.967,82.05 127.517,82.6 131.8,82.6 133.3,81.1 133.3,72.2 133.6,71.9 138.34,71.9 v1(139.217,71.023)
NetJP4_3: JP4.3 U1.17 | length 22.9
  Top Layer w0.15: v1(142.05,66.3) 142.9,66.3 143.05,66.45 U1.17
  Bottom Layer w0.15: JP4.3 130.46,74.44 131.46,73.44 131.46,69.44 132.5,68.4 139.95,68.4 v1(142.05,66.3)
NetJP5_3: JP5.3 U1.22 | length 23.8
  Top Layer w0.15: v1(144.8,65.478) 145.55,66.228 U1.22
  Bottom Layer w0.15: JP5.3 129.78,71.72 130.86,70.64 130.86,68.84 131.63,68.07 139.46,68.07 142.052,65.478 v1(144.8,65.478)
NetJP6_3: JP6.3 U1.23 | length 23
  Top Layer w0.15: v1(145.883,65.478) 145.883,65.983 146.05,66.15 U1.23
  Bottom Layer w0.15: JP6.3 129.6,69 130.92,67.68 139.26,67.68 142.14,64.8 145.206,64.8 v1(145.883,65.478)
NetJP8_3: JP8.3 U1.26 | length 24.3
  Top Layer w0.15: v1(146.967,65.478) 147.55,66.061 U1.26
  Bottom Layer w0.15: JP8.3 127.977,67.29 139.03,67.29 141.92,64.4 145.8,64.4 146.878,65.478 v1(146.967,65.478)
NetJP9_3: JP9.3 U1.27 | length 26.4
  Top Layer w0.15: v1(148.05,65.478) U1.27
  Bottom Layer w0.15: JP9.3 131.24,63.56 133.2,61.6 145.6,61.6 148.05,64.05 v1(148.05,65.478)
NetJP10_3: JP10.3 U1.37 | length 39.2
  Top Layer w0.15: v1(146.6,72.8) 148.1,71.3 U1.37
  Bottom Layer w0.15: JP10.3 131.151,60.84 131.411,61.1 146,61.1 148.7,63.8 148.7,66.35 146.6,68.45 v1(146.6,72.8)
NetJP11_3: JP11.3 U1.38 | length 40.4
  Top Layer w0.15: v1(147.975,72.8) 148.975,71.8 U1.38
  Bottom Layer w0.15: JP11.3 130.42,58.12 130.7,58.4 130.7,59.6 131.8,60.7 146.5,60.7 149.2,63.4 149.2,66.6 147.3,68.5 147.3,72.125 v1(147.975,72.8)
NetJP12_3: JP12.3 U1.39 | length 41.7
  Top Layer w0.15: v1(149.35,72.8) 149.85,72.3 U1.39
  Bottom Layer w0.15: JP12.3 130.1,55.4 131.2,56.5 131.2,59.3 132.2,60.3 146.7,60.3 149.7,63.3 149.7,66.8 147.9,68.6 147.9,71.35 v1(149.35,72.8)
NetR1_1: R1.1 U1.58 U8.2 | length 23.7
  Top Layer w0.15: U1.58 146.05,80.55 v1(146.3,80.8) ; R1.1 v1(155.349,92.749) 155.901,93.301 U8.2
  Bottom Layer w0.15: v1(146.3,80.8) 146.881,81.381 146.881,89.281 149.8,92.2 154.8,92.2 v1(155.349,92.749)
NetR3_1: R3.1 U1.61 U2.2 | length 14.9
  Top Layer w0.15: U2.2 140.748,89.552 v1(141.117,89.183) R3.1 ; v1(143.8,82.1) 144.55,81.35 U1.61
  Bottom Layer w0.15: v1(141.117,89.183) 141.117,84.783 v1(143.8,82.1)
NetR5_1: R5.1 U1.29 U3.2 | length 21.9
  Top Layer w0.15: U3.2 148.702,55.502 v1(149.254,56.054) R5.1 ; v1(148.581,69.6) 149.05,69.131 U1.29
  Bottom Layer w0.15: v1(148.581,69.6) 151.5,66.681 151.5,56.8 150.754,56.054 v1(149.254,56.054)
NetR7_1: R7.1 U1.33 U4.2 | length 17.1
  Top Layer w0.15: U1.33 153.642,69.3 154.2,68.742 v1(154.2,67.8) ; R7.1 v1(162.621,61.379) 163.201,60.799 U4.2
  Bottom Layer w0.15: v1(154.2,67.8) 156.87,65.13 158.87,65.13 v1(162.621,61.379)
NetR9_1: R9.1 U1.35 U5.2 | length 14.2
  Top Layer w0.15: U1.35 154.277,70.3 155.5,71.523 v1(155.5,72.3) ; R9.1 v1(158.958,77.858) 159.708,78.608 U5.2
  Bottom Layer w0.15: v1(155.5,72.3) 155.5,74.4 v1(158.958,77.858)
NetU1_29: 
NetU1_30: R6.2 U1.30 U3.1 | length 23.5
  Top Layer w0.15: U3.1 148.449,55.004 v1(148.952,54.502) R6.2 ; U1.30 149.55,69.131 v1(150.019,69.6)
  Bottom Layer w0.15: v1(148.952,54.502) 150.536,54.502 152.1,56.066 152.1,67.5 150.019,69.581 v1(150.019,69.6)
NetU1_33: 
NetU1_34: R8.2 U1.34 U4.1 | length 18.9
  Top Layer w0.15: U1.34 154.277,69.8 155.5,68.577 v1(155.5,67.8) ; U4.1 163.699,60.338 v1(164.171,60.81) R8.2
  Bottom Layer w0.15: v1(155.5,67.8) 157.6,65.7 159.28,65.7 v1(164.171,60.81)
NetU1_35: 
NetU1_36: R10.2 U1.36 U5.1 | length 14.8
  Top Layer w0.15: U1.36 153.642,70.8 154.2,71.358 v1(154.2,72.3) ; R10.2 v1(159.142,79.458) 159.494,79.106 U5.1
  Bottom Layer w0.15: v1(154.2,72.3) 155,73.1 155,75.316 v1(159.142,79.458)
NetU1_42: U1.42 U7.7 | length 41.4
  Top Layer w0.15: U7.7 v1(138.9,56.736) ; U1.42 v1(154.15,73.8)
  Bottom Layer w0.15: v1(138.9,56.736) 138.2,56.036 138.2,54.8 139.8,53.2 150.8,53.2 153.09,55.49 153.09,72.74 v1(154.15,73.8)
NetU1_43: U1.43 U7.6 | length 39.2
  Top Layer w0.15: U7.6 v1(138.9,55.466) ; U1.43 153.65,74.3 v1(154.15,74.8)
  Bottom Layer w0.15: v1(138.9,55.466) 140.766,53.6 150.5,53.6 152.7,55.8 152.7,73.35 v1(154.15,74.8)
NetU1_58: 
NetU1_59: R2.2 U1.59 U8.1 | length 25.6
  Top Layer w0.15: U1.59 145.55,81.35 v1(146.3,82.1) ; R2.2 v1(155.6,94.4) 156.201,93.799 U8.1
  Bottom Layer w0.15: v1(146.3,82.1) 146.3,89.9 149,92.6 153.8,92.6 v1(155.6,94.4)
NetU1_61: 
NetU1_62: R4.2 U1.62 U2.1 | length 15.4
  Top Layer w0.15: R4.2 v1(139.567,89.067) 140.25,89.75 U2.1 ; v1(143.8,80.8) 144.05,80.55 U1.62
  Bottom Layer w0.15: v1(139.567,89.067) 139.567,85.033 v1(143.8,80.8)
NetU2_3: U2.3 Y2.3 | length 4.9
  Top Layer w0.15: U2.3 141.249,90.051 141.817,89.483 Y2.3
NetU3_3: U3.3 Y3.3 | length 4.7
  Top Layer w0.15: U3.3 148.103,56.003 148.55,56.45 148.55,59.24 Y3.3@148.19,59.6
NetU4_3: U4.3 Y4.3 | length 5.4
  Top Layer w0.15: Y4.3 162.018,60.784 162.7,60.101 U4.3
NetU5_3: U5.3 Y5.3 | length 5.6
  Top Layer w0.15: Y5.3 159.4,73.418 159.4,77.4 160.108,78.108 U5.3
NetU7_1: U7.1 USB.A6 USB.B6 | length 17.3
  Top Layer w0.15: USB.B6 127.23,47.89 127.05,48.07 127.05,48.69 127.25,48.89 USB.A6 ; U7.1 v1(132.894,58.006)
  Bottom Layer w0.15: v1(127.06,48.374) 127.854,48.374 131.8,52.32 131.8,56.912 v1(132.894,58.006)
NetU7_2: U7.2 USB.A7 USB.B7 | length 14.1
  Top Layer w0.15: USB.A7 129.12,48.39 129.3,48.57 v1(129.3,48.895) 129.3,49.22 129.13,49.39 USB.B7 ; U7.2 v1(132.894,56.736)
  Bottom Layer w0.15: v1(129.3,48.895) 132.2,51.795 132.2,56.042 v1(132.894,56.736)
NetU8_3: U8.3 Y1.3 | length 5
  Top Layer w0.15: Y1.3 155.719,92.219 156.301,92.801 U8.3
NetUSBC1_0: 
pads on no net: Q1.3 Q1.4 Q2.3 Q2.4 Q3.3 Q3.4 Q4.3 Q4.4 Q5.3 Q5.4 Q6.3 Q6.4 Q7.3 Q7.4 Q8.3 Q8.4 Q9.3 Q9.4 Q10.3 Q10.4 Q11.3 Q11.4 Q12.3 Q12.4 Q13.3 Q13.4 Q14.3 Q14.4 Q15.3 Q15.4 Q16.3 Q16.4 Q17.3 Q17.4 Q18.3 Q18.4 Q19.3 Q19.4 Q20.3 Q20.4 U1.3 U1.4 U1.8 U1.9 U1.10 U1.11 U1.20 U1.21 U1.24 U1.25 U1.28 U1.40 U1.41 U1.44 U1.45 U1.50 U1.51 U1.52 U1.53 U1.54 U1.55 U1.56 U1.57 U2.5 U3.5 U4.5 U5.5 U6.4 U7.4 U8.5 USB. USB.A5 USB.A8 USB.B5 USB.B8 X1.2 X1.4 Y1.1 Y2.1 Y3.1 Y4.1 Y5.1

## Polygon pours and split planes (outlines as drawn)
GND on Bottom Layer "Bottom Layer-GND" (solid, remove dead copper, pour order 0): 120.35,42.12 ccw(c122.27,42.12) 122.27,40.2 178.43,40.201 178.43,40.2 ccw(c178.43,42.12) 180.35,42.12 180.35,108.28 ccw(c178.43,108.28) 178.43,110.2 178.43,110.201 122.27,110.2 ccw(c122.27,108.28) 120.35,108.28 120.35,108.281

## Keep-outs
Keep-Out Layer:
  lines w0.254: 120.35,42.12 ccw(c122.27,42.12) 122.27,40.2 178.43,40.201 ccw(c178.43,42.12) 180.35,42.12 180.35,108.28 ccw(c178.43,108.28) 178.43,110.2 ; 120.35,42.12 120.35,108.281 ; 120.35,108.28 cw(c122.27,108.28) 122.27,110.2 178.43,110.201